# Altium PCB TIDA-010933-RevA.PcbDoc (part 3 of 9) (continued)
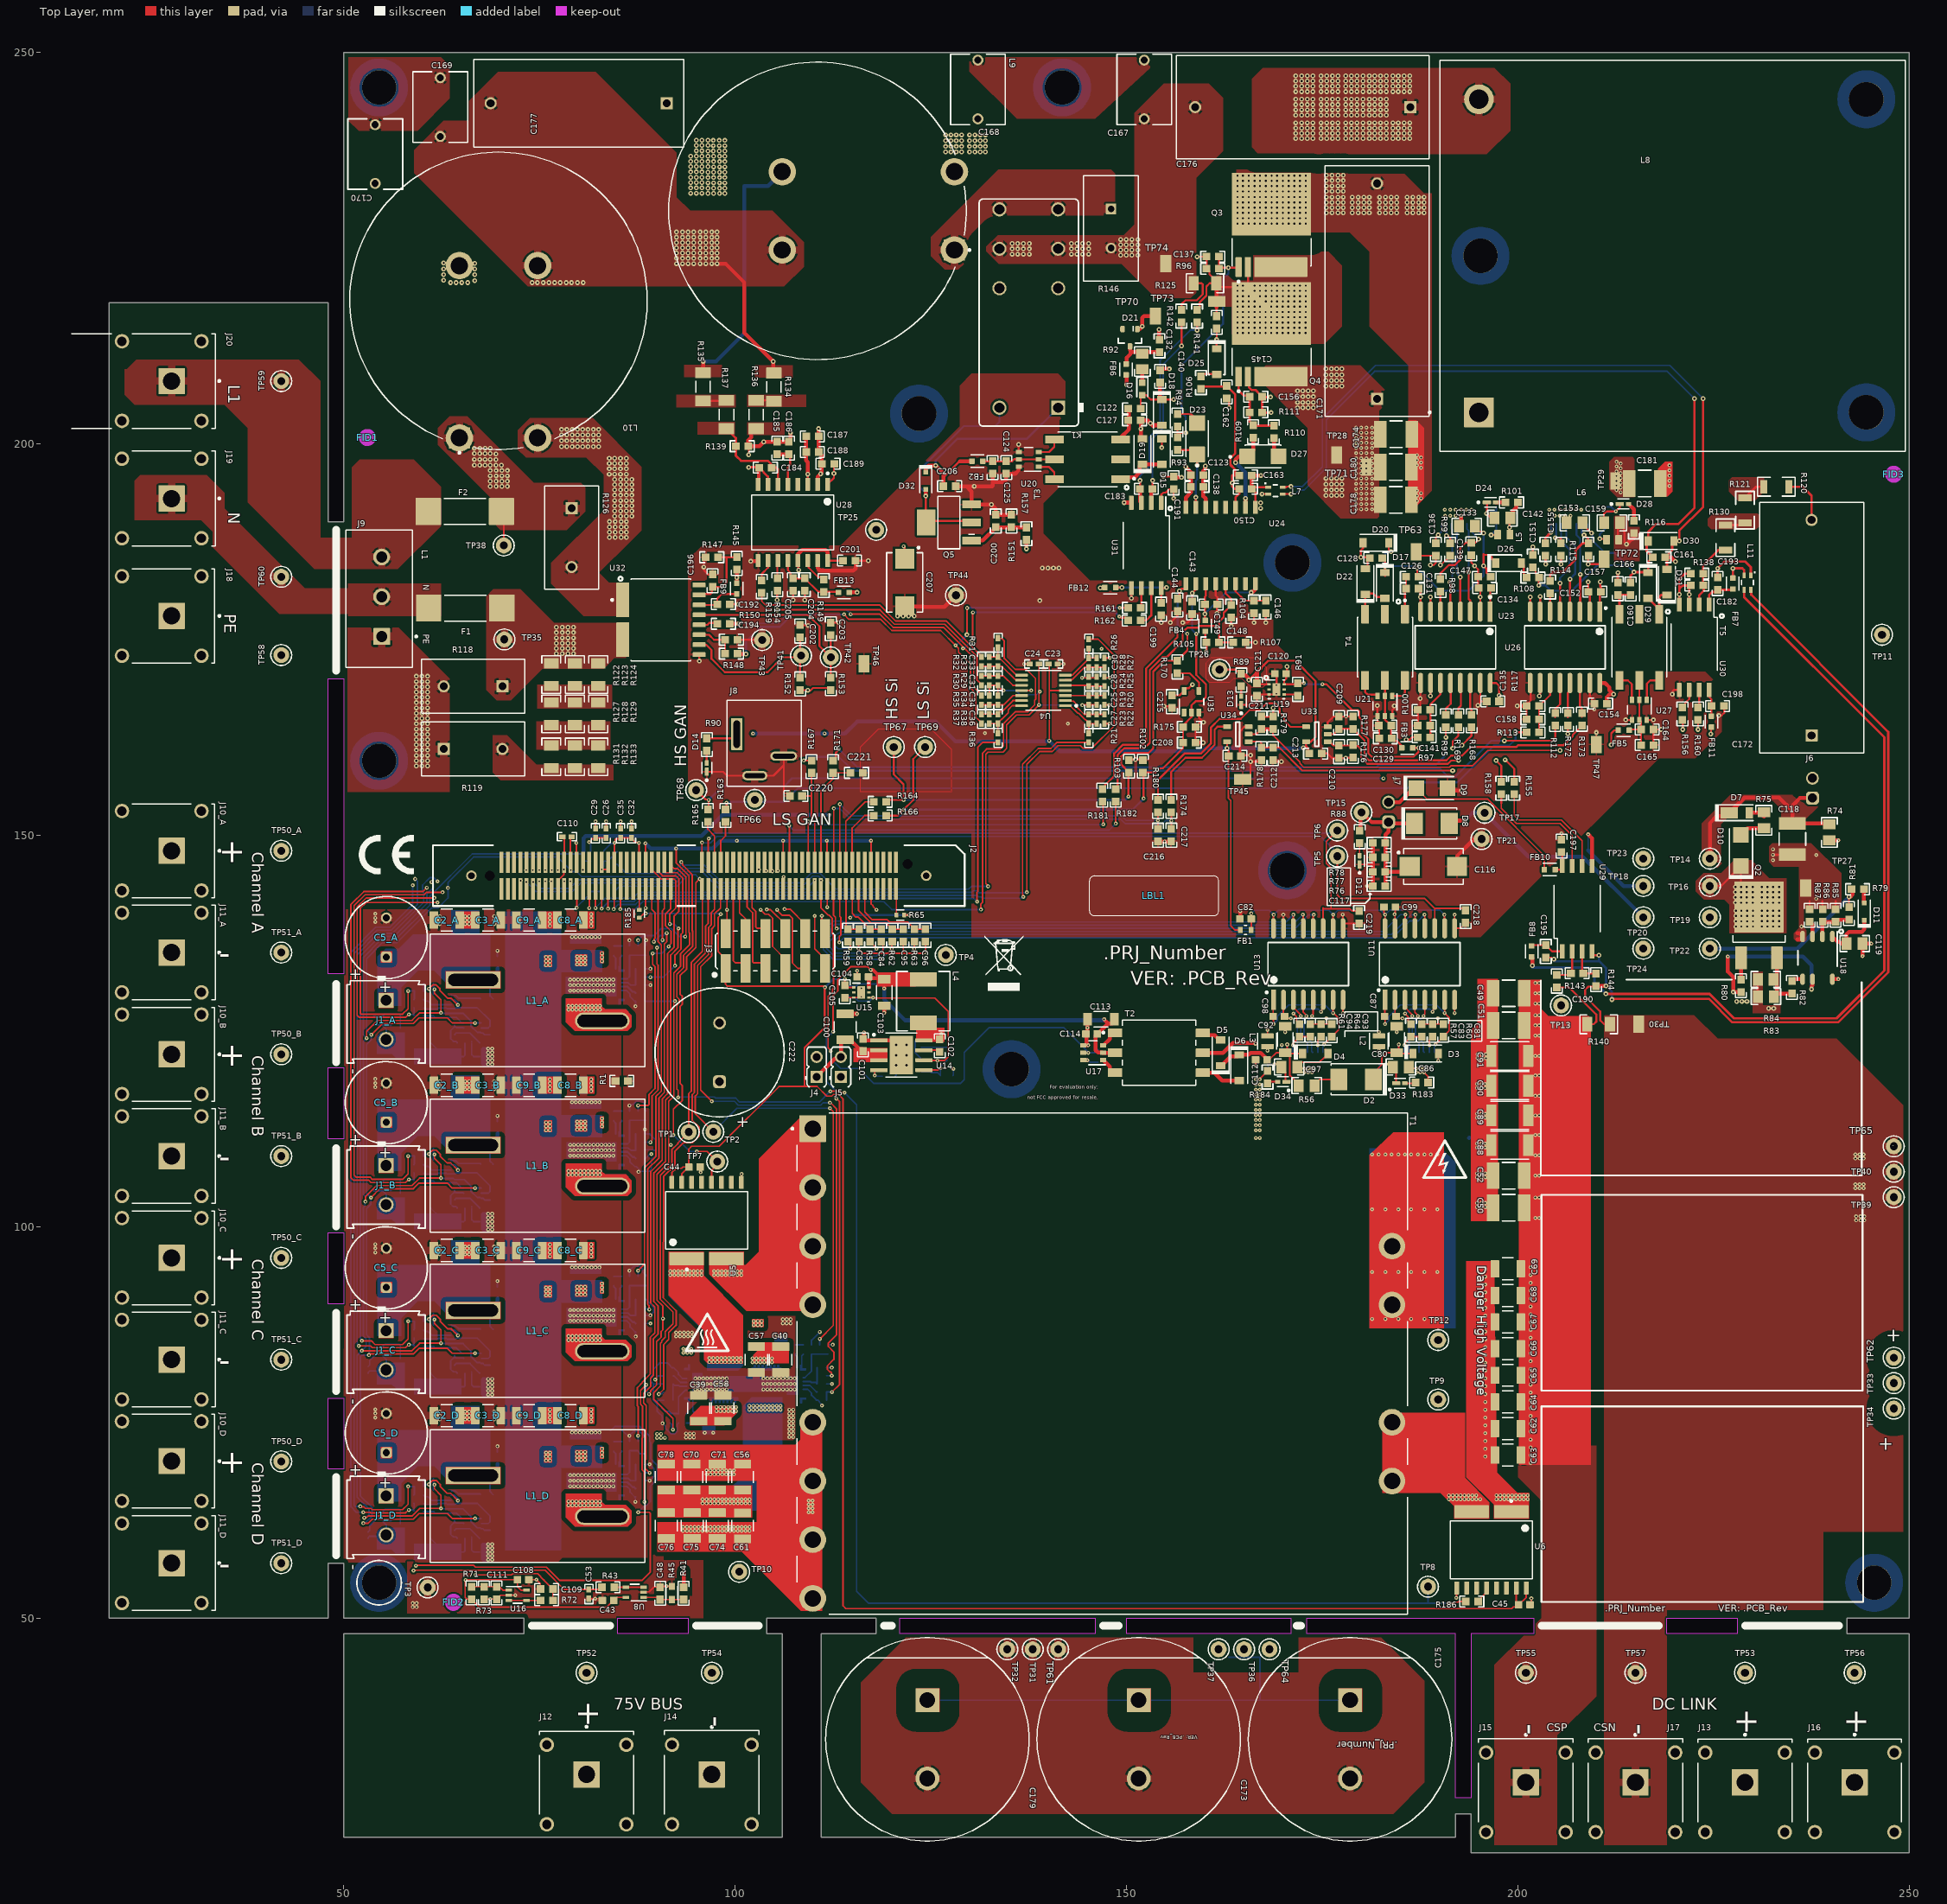
[diagram p0: Top Layer view]
## Part data (continued)
C62 C63 C64 C65 C66 C67 C68 C69: library part CMP-0121422-1, "Multilayer Ceramic Capacitors 4.7nF ±5% 1000V C0G SMD 1210", Manufacturer=TDK, Operating Temperature Range="-55°C to +125°C", TempCo=30ppm/°C, Temperature Characteristic=C0G, Tolerance_%=0.05%, ValueDisplayed=4.7nF, AEC Qualified=No, Cap_F=4.7nF, ComponentLink1Description=Datasheet, ComponentLink1URL=https://product.tdk.com/en/search/capacitor/ceramic/mlcc/info?part_no=C3225C0G3A472J200AC, datasheet=https://product.tdk.com/en/search/capacitor/ceramic/mlcc/info?part_no=C3225C0G3A472J200AC, Datasheet Path=datasheets/Cap-C3225C0G3A472J200AC.pdf, helpURL=https://upverter.com/upn/revision/98040c174d623327/, Lead Free=Yes, PackageReference=1210, Part Number=C3225C0G3A472J200AC, PartNumber=C3225C0G3A472J200AC, RoHS=TRUE, SizeZ_mm=2.2mm, VDC_V=1kV
C80 C92: library part CMP-0750154-1, "CAP, CERM, 10 µF, 25 V,+/- 10%, X7R, AEC-Q200 Grade 1, 1206", Cap_Case=1206, Manufacturer="Taiyo Yuden", TempCo=X7R, Tolerance_%=10%, Value2=25V, ValueDisplayed=10µF, AEC Category=Q200, AEC Grade=1, AEC Qualified=Y, Cap_F=10µF, ComponentLink1Description="Datasheet link", ComponentLink1URL=https://www.yuden.co.jp/productdata/catalog/mlcc_all_hq_e.pdf, CompType=Capacitor, MountType=SMT, PackageReference=1206, PartNumber=TMK316AB7106KLHT, Polarized=N, RoHS=Y, SizeArea_mm2=5.12, SizeAreaWB_mm2=10.92, SizeX_mm=3.2, SizeY_mm=1.6, SizeZ_mm=1.8, TaMax_C=125°C, TaMin_C=-55°C, Technology=Ceramic, U/M=EA, VDC_V=25V
C81 C93: library part CMP-0007389-4, "CAP, CERM, 0.22 uF, 16 V, +/- 10%, X7R, 0603", Cap_Case=0603, Manufacturer=MuRata, Supplier Part Number 1=490-3293-1-ND, TempCo=X7R, Tolerance_%=10%, Value1=Unknown, Value2=16V, ValueDisplayed=0.22uF, AEC Category=Q200, AEC Qualified=?, Cap_F=220nF, ComponentLink1Description="Datasheet link", ComponentLink1URL=http://search.murata.co.jp/Ceramy/PnsearchViewAction.do?HnOFG=ON&HnNFG=ON&SEL_CNT=50&sLang=en&sKey=GRM188R71C224KA01D&x=9&y=9&search=startwith, CompType=Capacitor, LatestRevisionDate=2017-03-09, MountType=SMT, PackageReference=0603, PartNumber=GRM188R71C224KA01D, Polarized=N, Published=2008-06-19, Publisher="Texas Instruments", RoHS=Y, SizeArea_mm2=1.28, SizeAreaWB_mm2=4.68, SizeX_mm=1.6, SizeY_mm=0.8, SizeZ_mm=1, Supplier 1=Digi-Key, Supplier 2=Mouser, Supplier 3=Farnell, Supplier Part Number 2=81-GRM188R71C224KA01, Supplier Part Number 3=1828891, TaMax_C=125°C, TaMin_C=-55°C, Technology=Ceramic, U/M=EA, VDC_V=16V
C83 C84 C85 C94 C95 C96 C218 C219 C220 C221: library part CMP-0007196-3, "CAP, CERM, 22 pF, 50 V, +/- 5%, C0G/NP0, 0603", Cap_Case=0603, Manufacturer=MuRata, Supplier Part Number 1=490-1411-1-ND, TempCo=C0G/NP0, Tolerance_%=5%, Value1=Unknown, Value2=50V, ValueDisplayed=22pF, AEC Category=Q200, AEC Qualified=?, Cap_F=22pF, ComponentLink1Description="Datasheet link", ComponentLink1URL=http://search.murata.co.jp/Ceramy/PnsearchViewAction.do?HnOFG=ON&HnNFG=ON&SEL_CNT=50&sLang=en&sKey=GRM1885C1H220JA01D&x=9&y=9&search=startwith, CompType=Capacitor, LatestRevisionDate=2017-03-09, MountType=SMT, PackageReference=0603, PartNumber=GRM1885C1H220JA01D, Polarized=N, Published=2008-06-19, Publisher="Texas Instruments", RoHS=Y, SizeArea_mm2=1.28, SizeAreaWB_mm2=4.68, SizeX_mm=1.6, SizeY_mm=0.8, SizeZ_mm=1, Supplier 1=Digi-Key, Supplier 2=Mouser, Supplier 3=Farnell, Supplier Part Number 2=81-GRM39C220J50, Supplier Part Number 3=8819831, TaMax_C=125°C, TaMin_C=-55°C, Technology=Ceramic, U/M=EA, VDC_V=50V
C86 C97: library part CMP-0007975-2, "CAP, CERM, 2.2 uF, 25 V, +/- 10%, X7R, AEC-Q200 Grade 1, 0805", Cap_Case=0805, Manufacturer=TDK, Supplier Part Number 1=445-6965-1-ND, TempCo=X7R, Tolerance_%=10%, Value1=Unknown, Value2=25V, ValueDisplayed=2.2uF, AEC Category=Q200, AEC Grade=1, AEC Qualified=Y, Cap_F=2.2µF, ComponentLink1Description="Datasheet link", ComponentLink1URL=https://product.tdk.com/info/en/documents/chara_sheet/CGA4J3X7R1E225K125AB.pdf, CompType=Capacitor, LatestRevisionDate=2017-03-09, MountType=SMT, PackageReference=0805, PartNumber=CGA4J3X7R1E225K125AB, Polarized=N, Published=2008-06-19, Publisher="Texas Instruments", RoHS=Y, SizeArea_mm2=2.5, SizeAreaWB_mm2=6.75, SizeX_mm=2, SizeY_mm=1.25, SizeZ_mm=1.45, Supplier 1=Digi-Key, Supplier 2=Newark, Supplier 3=Mouser, Supplier Part Number 2=39Y3548, Supplier Part Number 3=810-CGA4J3X7R1E225K, TaMax_C=125°C, TaMin_C=-55°C, Technology=Ceramic, U/M=EA, VDC_V=25V
C88 C89 C90 C91: library part CMP-0091479-1, "C Series 1812 0.047 uF 630 V ±5% Tolerance C0G/NP0 Multilayer Ceramic Capacitor", Digikey Part Number=445-14979-1-ND, Manufacturer=TDK, Mouser Part Number=810-C4532C0G2J473JKA, Operating Temperature Range="-55°C to +125°C", TempCo=30ppm/°C, Temperature Characteristic=C0G, Tolerance_%=5%, ValueDisplayed=47nF, AEC Qualified=No, Cap_F=47nF, ComponentLink1Description=Datasheet, ComponentLink1URL=https://product.tdk.com/info/en/catalog/datasheets/mlcc_commercial_midvoltage_en.pdf, datasheet=https://product.tdk.com/info/en/catalog/datasheets/mlcc_commercial_midvoltage_en.pdf, Datasheet Path=datasheets/Cap-C4532C0G2J473J320KA.pdf, Digikey Description="CAP CER 0.047UF 630V C0G 1812", helpURL=https://upverter.com/upn/revision/1db5e60618c374e3/, Lead Free=Yes, Mouser Description="Multilayer Ceramic Capacitors MLCC - SMD/SMT C4532C0G2J473JT000N", PackageReference=1812, Part Number=C4532C0G2J473J320KA, PartNumber=C4532C0G2J473J320KA, RoHS=TRUE, SizeZ_mm=3.5mm, Supplier 1=Digikey, Supplier 2=Mouser, Supplier Part Number 1=445-14979-1-ND, Supplier Part Number 2=810-C4532C0G2J473JKA, VDC_V=630V
C100: library part CMP-0095533-2, "CAP, CERM, 2.2 uF, 100 V, +/- 10%, X7R, 1210", Manufacturer=TDK, Operating Temperature Range="-55°C  to +125°C", TempCo=0.15, Temperature Characteristic=X7R, Tolerance_%=0.1%, ValueDisplayed=2.2uF, AEC Qualified=No, Cap_F=2.2µF, ComponentLink1Description=Datasheet, ComponentLink1URL=https://product.tdk.com/en/search/capacitor/ceramic/mlcc/info?part_no=C3225X7R2A225K230AB, datasheet=https://product.tdk.com/en/search/capacitor/ceramic/mlcc/info?part_no=C3225X7R2A225K230AB, Datasheet Path=datasheets/Cap-C3225X7R2A225K230AB.pdf, helpURL=https://upverter.com/upn/revision/88efa44f12133509/, Lead Free=Yes, PackageReference=1210, Part Number=C3225X7R2A225K230AB, PartNumber=C3225X7R2A225K230AB, RoHS=TRUE, SizeZ_mm=2.5mm, VDC_V=100V
C101: library part CMP-0007469-4, "CAP, CERM, 0.1 uF, 100 V, +/- 10%, X7R, 0603", Cap_Case=0603, Manufacturer=MuRata, Supplier Part Number 1=490-3285-1-ND, TempCo=X7R, Tolerance_%=10%, Value1=Unknown, Value2=100V, ValueDisplayed=0.1uF, AEC Category=Q200, AEC Qualified=?, Cap_F=100nF, ComponentLink1Description="Datasheet link", ComponentLink1URL=http://search.murata.co.jp/Ceramy/PnsearchViewAction.do?HnOFG=ON&HnNFG=ON&SEL_CNT=50&sLang=en&sKey=GRM188R72A104KA35D&x=9&y=9&search=startwith, CompType=Capacitor, LatestRevisionDate=2017-03-09, MountType=SMT, PackageReference=0603, PartNumber=GRM188R72A104KA35D, Polarized=N, Published=2008-06-19, Publisher="Texas Instruments", RoHS=Y, SizeArea_mm2=1.28, SizeAreaWB_mm2=4.68, SizeX_mm=1.6, SizeY_mm=0.8, SizeZ_mm=1, Supplier 1=Digi-Key, Supplier 2=Mouser, Supplier 3=Farnell, Supplier Part Number 2=81-GRM188R72A104KA35, Supplier Part Number 3=1828921, TaMax_C=125°C, TaMin_C=-55°C, Technology=Ceramic, U/M=EA, VDC_V=100V
C102: library part CMP-0006897-4, "CAP, CERM, 2200 pF, 50 V, +/- 10%, X7R, 0603", Cap_Case=0603, Manufacturer=Kemet, Supplier Part Number 1=1362428, TempCo=X7R, Tolerance_%=10%, Value1=Unknown, Value2=50V, ValueDisplayed=2200pF, AEC Category=Q200, AEC Qualified=?, Cap_F=2.2nF, ComponentLink1Description="Datasheet link", ComponentLink1URL=http://www.kemet.com/kemet/web/homepage/kechome.nsf/vapubfiles/F3102_Y5V.pdf/$file/F3102_Y5V.pdf, CompType=Capacitor, LatestRevisionDate=2017-03-09, MountType=SMT, PackageReference=0603, PartNumber=C0603C222K5RAC, Polarized=N, Published=2008-06-19, Publisher="Texas Instruments", RoHS=Y, SizeArea_mm2=1.28, SizeAreaWB_mm2=4.68, SizeX_mm=1.6, SizeY_mm=0.8, SizeZ_mm=1, Supplier 1=Farnell, TaMax_C=125°C, TaMin_C=-55°C, Technology=Ceramic, U/M=EA, VDC_V=50V
C103 C113: library part CMP-0008959-2, "CAP, CERM, 22 uF, 10 V, +/- 10%, X7R, 1206", Cap_Case=1206, Manufacturer=MuRata, Supplier Part Number 1=490-5309-1-ND, TempCo=X7R, Tolerance_%=10%, Value1=Unknown, Value2=10V, ValueDisplayed=22uF, AEC Category=Q200, AEC Qualified=?, Cap_F=22µF, ComponentLink1Description="Datasheet link", ComponentLink1URL=http://search.murata.co.jp/Ceramy/PnsearchViewAction.do?HnOFG=ON&HnNFG=ON&SEL_CNT=50&sLang=en&sKey=GRM31CR71A226KE15L&x=9&y=9&search=startwith, CompType=Capacitor, LatestRevisionDate=2017-03-09, MountType=SMT, PackageReference=1206, PartNumber=GRM31CR71A226KE15L, Polarized=N, Published=2008-06-19, Publisher="Texas Instruments", RoHS=Y, SizeArea_mm2=5.12, SizeAreaWB_mm2=10.92, SizeX_mm=3.2, SizeY_mm=1.6, SizeZ_mm=1.8, Supplier 1=Digi-Key, Supplier 2=Mouser, Supplier 3=Farnell, Supplier Part Number 2=81-GRM31CR71A226K15L, Supplier Part Number 3=1797016, TaMax_C=125°C, TaMin_C=-55°C, Technology=Ceramic, U/M=EA, VDC_V=10V
C105 C121: library part CMP-0064932-4, "CAP, CERM, 1 uF, 10 V,+/- 10%, X7R, 0603", Cap_Case=0603, Manufacturer="Wurth Elektronik", Supplier Part Number 1=732-7945-1-ND, TempCo=X7R, Tolerance_%=10%, Value1=Unknown, Value2=10V, ValueDisplayed=1uF, AEC Category=Q200, AEC Grade=N/A, AEC Qualified=N, Cap_F=1µF, ComponentLink1Description="Datasheet link", ComponentLink1URL=http://katalog.we-online.com/pbs/datasheet/885012206026.pdf, CompType=Capacitor, LatestRevisionDate=2017-06-05, MountType=SMT, PackageReference=0603, PartNumber=885012206026, Polarized=N, Published=2008-06-19, Publisher="Texas Instruments", RoHS=Y, SizeArea_mm2=1.28, SizeAreaWB_mm2=4.68, SizeX_mm=1.6, SizeY_mm=0.8, SizeZ_mm=1, Supplier 1=Digi-Key, Supplier 2=Newark, Supplier 3=Mouser, Supplier Part Number 2=15AC9362, Supplier Part Number 3=710-885012206026, TaMax_C=125°C, TaMin_C=-55°C, Technology=Ceramic, U/M=EA, VDC_V=10V
C106: library part CMP-0007471-5, "CAP, CERM, 1200 pF, 100 V, +/- 10%, X7R, 0603", Cap_Case=0603, Manufacturer=MuRata, Supplier Part Number 1=490-1474-1-ND, TempCo=X7R, Tolerance_%=10%, Value1=Unknown, Value2=100V, ValueDisplayed=1200pF, AEC Category=Q200, AEC Qualified=?, Cap_F=1.2nF, ComponentLink1Description="Datasheet link", ComponentLink1URL=http://search.murata.co.jp/Ceramy/PnsearchViewAction.do?HnOFG=ON&HnNFG=ON&SEL_CNT=50&sLang=en&sKey=GRM188R72A122KA01D&x=9&y=9&search=startwith, CompType=Capacitor, LatestRevisionDate=2017-03-09, MountType=SMT, PackageReference=0603, PartNumber=GRM188R72A122KA01D, Polarized=N, Published=2008-06-19, Publisher="Texas Instruments", RoHS=Y, SizeArea_mm2=1.28, SizeAreaWB_mm2=4.68, SizeX_mm=1.6, SizeY_mm=0.8, SizeZ_mm=1, Supplier 1=Digi-Key, Supplier 2=Mouser, Supplier Part Number 2=81-GRM18R72A122KA01D, TaMax_C=125°C, TaMin_C=-55°C, Technology=Ceramic, U/M=EA, VDC_V=100V
C107: library part CMP-0007275-4, "CAP, CERM, 56 pF, 100 V, +/- 5%, C0G/NP0, 0603", Cap_Case=0603, Manufacturer=MuRata, Supplier Part Number 1=490-1345-1-ND, TempCo=C0G/NP0, Tolerance_%=5%, Value1=Unknown, Value2=100V, ValueDisplayed=56pF, AEC Category=Q200, AEC Qualified=?, Cap_F=56pF, ComponentLink1Description="Datasheet link", ComponentLink1URL=http://search.murata.co.jp/Ceramy/PnsearchViewAction.do?HnOFG=ON&HnNFG=ON&SEL_CNT=50&sLang=en&sKey=GRM1885C2A560JA01D&x=9&y=9&search=startwith, CompType=Capacitor, LatestRevisionDate=2017-03-09, MountType=SMT, PackageReference=0603, PartNumber=GRM1885C2A560JA01D, Polarized=N, Published=2008-06-19, Publisher="Texas Instruments", RoHS=Y, SizeArea_mm2=1.28, SizeAreaWB_mm2=4.68, SizeX_mm=1.6, SizeY_mm=0.8, SizeZ_mm=1, Supplier 1=Digi-Key, Supplier 2=Mouser, Supplier Part Number 2=81-GRM185C2A560JA01D, TaMax_C=125°C, TaMin_C=-55°C, Technology=Ceramic, U/M=EA, VDC_V=100V
C109 C115: library part CMP-0007206-4, "CAP, CERM, 300 pF, 50 V, +/- 5%, C0G/NP0, 0603", Cap_Case=0603, Manufacturer=MuRata, Supplier Part Number 1=490-1438-1-ND, TempCo=C0G/NP0, Tolerance_%=5%, Value1=Unknown, Value2=50V, ValueDisplayed=300pF, AEC Category=Q200, AEC Qualified=?, Cap_F=300pF, ComponentLink1Description="Datasheet link", ComponentLink1URL=http://search.murata.co.jp/Ceramy/PnsearchViewAction.do?HnOFG=ON&HnNFG=ON&SEL_CNT=50&sLang=en&sKey=GRM1885C1H301JA01D&x=9&y=9&search=startwith, CompType=Capacitor, LatestRevisionDate=2017-03-09, MountType=SMT, PackageReference=0603, PartNumber=GRM1885C1H301JA01D, Polarized=N, Published=2008-06-19, Publisher="Texas Instruments", RoHS=Y, SizeArea_mm2=1.28, SizeAreaWB_mm2=4.68, SizeX_mm=1.6, SizeY_mm=0.8, SizeZ_mm=1, Supplier 1=Digi-Key, Supplier 2=Mouser, Supplier Part Number 2=81-GRM185C1H301JA01D, TaMax_C=125°C, TaMin_C=-55°C, Technology=Ceramic, U/M=EA, VDC_V=50V
C116 C207: library part CMP-0011981-2, "CAP, TA, 470 uF, 10 V, +/- 20%, 0.045 ohm, SMD", Cap_Case=E, Manufacturer=AVX, Supplier Part Number 1=478-4148-1-ND, Tolerance_%=20%, Value1="0.045 ohm", Value2=10V, ValueDisplayed=470uF, AEC Category=Q200, AEC Qualified=?, Cap_F=470µF, ComponentLink1Description="Datasheet link", ComponentLink1URL=http://www.avx.com/docs/masterpubs/tantniob.pdf, CompType=Capacitor, ESR_ohm=0.045, IRMS_A=1.732A, LatestRevisionDate=2017-03-09, LatestRevisionNote="Updated supplier links", MountType=SMT, PackageReference=7343-43, PartNumber=TPSE477M010R0045, Polarized=Y, Publisher="Texas Instruments", RoHS=Y, Series=TPS, SizeArea_mm2=31.39, SizeAreaWB_mm2=58.59, SizeX_mm=7.3, SizeY_mm=4.3, SizeZ_mm=4.3, Supplier 1=Digi-Key, Supplier 2=Newark, Supplier 3=Mouser, Supplier Part Number 2=75M2993, Supplier Part Number 3=581-TPSE477M010R0045, TaMax_C=125°C, TaMin_C=-55°C, Technology=TA, U/M=EA, VDC_V=10V
C117 C186 C187 C192 C201: library part CMP-0006979-5, "CAP, CERM, 0.1 uF, 25 V, +/- 10%, X7R, 0603", Cap_Case=0603, Manufacturer=Kemet, Supplier Part Number 1=399-5345-1-ND, TempCo=X7R, Tolerance_%=10%, Value1=Unknown, Value2=25V, ValueDisplayed=0.1uF, AEC Category=Q200, AEC Qualified=?, Cap_F=100nF, ComponentLink1Description="Datasheet link", ComponentLink1URL=http://www.kemet.com/kemet/web/homepage/kechome.nsf/vapubfiles/F3102_Y5V.pdf/$file/F3102_Y5V.pdf, CompType=Capacitor, LatestRevisionDate=2017-03-09, MountType=SMT, PackageReference=0603, PartNumber=C0603X104K3RACTU, Polarized=N, Published=2008-06-19, Publisher="Texas Instruments", RoHS=Y, SizeArea_mm2=1.28, SizeAreaWB_mm2=4.68, SizeX_mm=1.6, SizeY_mm=0.8, SizeZ_mm=1, Supplier 1=Digi-Key, Supplier 2=Mouser, Supplier 3=Farnell, Supplier Part Number 2=80-C0603X104K3R, Supplier Part Number 3=1601773, TaMax_C=125°C, TaMin_C=-55°C, Technology=Ceramic, U/M=EA, VDC_V=25V
C118 C174 C178 C180 C181: library part CMP-0009326-2, "CAP, CERM, 0.1 uF, 1000 V, +/- 10%, X7R, 1812", Cap_Case=1812, Manufacturer=Kemet, Supplier Part Number 1=399-6523-1-ND, TempCo=X7R, Tolerance_%=10%, Value1=Unknown, Value2=1000V, ValueDisplayed=0.1uF, AEC Category=Q200, AEC Grade=N/A, AEC Qualified=N, Cap_F=100nF, ComponentLink1Description="Datasheet link", ComponentLink1URL=http://www.kemet.com/Lists/ProductCatalog/Attachments/122/KEM_C1034_X7R_HV_ARC_SMD.pdf, CompType=Capacitor, LatestRevisionDate=2017-03-09, MountType=SMT, PackageReference=1812, PartNumber=C1812W104KDRACTU, Polarized=N, Published=2008-06-19, Publisher="Texas Instruments", RoHS=Y, SizeArea_mm2=14.4, SizeAreaWB_mm2=23.1, SizeX_mm=4.5, SizeY_mm=3.2, SizeZ_mm=2.54, Supplier 1=Digi-Key, Supplier 2=Newark, Supplier 3=Mouser, Supplier Part Number 2=93T1500, Supplier Part Number 3=80-C1812W104KDR, TaMax_C=125°C, TaMin_C=-55°C, Technology=Ceramic, U/M=EA, VDC_V=1kV
C119: library part CMP-0007859-1, "CAP, CERM, 0.47 uF, 50 V, +/- 10%, X6S, 0805", Cap_Case=0805, Manufacturer=TDK, Supplier Part Number 1=445-14509-1-ND, TempCo=X6S, Tolerance_%=10%, Value1="0.022012 ohm", Value2=50V, ValueDisplayed=0.47uF, AEC Category=Q200, AEC Grade=N/A, AEC Qualified=N, Cap_F=470nF, ComponentLink1Description="Datasheet link", ComponentLink1URL=https://product.tdk.com/en/search/capacitor/ceramic/mlcc/info?part_no=C2012X6S1H474K125AB, CompType=Capacitor, ESR_ohm=0.022012, IRMS_A=1.39566A, LatestRevisionDate=2017-03-09, MountType=SMT, PackageReference=0805, PartNumber=C2012X6S1H474K125AB, Polarized=N, Published=2008-06-19, Publisher="Texas Instruments", RoHS=Y, SizeArea_mm2=2.5, SizeAreaWB_mm2=6.75, SizeX_mm=2, SizeY_mm=1.25, SizeZ_mm=1.45, Supplier 1=Digi-Key, Supplier 2=Mouser, Supplier Part Number 2=810-C2012X6S1H474K125AB, TaMax_C=105°C, TaMin_C=-55°C, Technology=Ceramic, U/M=EA, VDC_V=50V
C122 C124 C126 C127 C128 C130 C131 C132 C147 C151 C160 C165 C166: library part CMP-0007347-5, "CAP, CERM, 4.7 uF, 25 V, +/- 10%, X5R, 0603", Cap_Case=0603, Manufacturer=MuRata, Supplier Part Number 1=490-7203-1-ND, TempCo=X5R, Tolerance_%=10%, Value1=Unknown, Value2=25V, ValueDisplayed=4.7uF, AEC Category=Q200, AEC Grade=N/A, AEC Qualified=N, Cap_F=4.7µF, ComponentLink1Description="Datasheet link", ComponentLink1URL=http://search.murata.co.jp/Ceramy/image/img/A01X/G101/ENG/GRM188R61E475KE11-01.pdf, CompType=Capacitor, LatestRevisionDate=2017-03-09, MountType=SMT, PackageReference=0603, PartNumber=GRM188R61E475KE11D, Polarized=N, Published=2008-06-19, Publisher="Texas Instruments", RoHS=Y, SizeArea_mm2=1.28, SizeAreaWB_mm2=4.68, SizeX_mm=1.6, SizeY_mm=0.8, SizeZ_mm=1, Supplier 1=Digi-Key, Supplier 2=Newark, Supplier 3=Mouser, Supplier Part Number 2=68X2788, Supplier Part Number 3=81-GRM188R61E475KE1D, TaMax_C=85°C, TaMin_C=-55°C, Technology=Ceramic, U/M=EA, VDC_V=25V
C123 C140 C145 C161 C162 C163: library part CMP-0007344-5, "CAP, CERM, 10 uF, 25 V, +/- 20%, X5R, 0603", Cap_Case=0603, Manufacturer=MuRata, Supplier Part Number 1=490-7202-1-ND, TempCo=X5R, Tolerance_%=20%, Value1=Unknown, Value2=25V, ValueDisplayed=10uF, AEC Category=Q200, AEC Qualified=?, Cap_F=10µF, ComponentLink1Description="Datasheet link", ComponentLink1URL=http://psearch.murata.com/capacitor/product/GRM188R61E106MA73%23.pdf, CompType=Capacitor, LatestRevisionDate=2017-03-09, MountType=SMT, PackageReference=0603, PartNumber=GRM188R61E106MA73D, Polarized=N, Published=2008-06-19, Publisher="Texas Instruments", RoHS=Y, SizeArea_mm2=1.28, SizeAreaWB_mm2=4.68, SizeX_mm=1.6, SizeY_mm=0.8, SizeZ_mm=1, Supplier 1=Digi-Key, Supplier 2=Mouser, Supplier 3=Farnell, Supplier Part Number 2=81-GRM188R61E106MA3L, Supplier Part Number 3=1828803RL, TaMax_C=85°C, TaMin_C=-55°C, Technology=Ceramic, U/M=EA, VDC_V=25V
C125 C129 C149 C164: library part CMP-0079911-1, "CAP, CERM, 0.1 µF, 50 V,+/- 10%, X8R, AEC-Q200 Grade 0, 0603", Cap_Case=0603, Manufacturer=TDK, Supplier Part Number 1=445-173697-1-ND, TempCo=X8R, Tolerance_%=10%, Value2=50V, ValueDisplayed=0.1µF, AEC Category=Q200, AEC Grade=0, AEC Qualified=Y, Cap_F=100nF, ComponentLink1Description="Datasheet link", ComponentLink1URL=https://product.tdk.com/info/en/catalog/datasheets/mlcc_automotive_soft_en.pdf, CompType=Capacitor, MountType=SMT, PackageReference=0603, PartNumber=CGA3E3X8R1H104K080AE, Polarized=N, RoHS=Y, SizeArea_mm2=1.28, SizeAreaWB_mm2=4.68, SizeX_mm=1.6, SizeY_mm=0.8, SizeZ_mm=1, Supplier 1=Digi-Key, Supplier 2=Newark, Supplier 3=Mouser, Supplier Part Number 2=92Y5509, Supplier Part Number 3=810-CGA3E3X8R1H104KA, TaMax_C=150°C, TaMin_C=-55°C, Technology=Ceramic, U/M=EA, VDC_V=50V
C133 C153: library part CMP-0008183-2, "CAP, CERM, 10 uF, 25 V, +/- 20%, B, 0805", Cap_Case=0805, Manufacturer=MuRata, TempCo=B, Tolerance_%=20%, Value1=Unknown, Value2=25V, ValueDisplayed=10uF, AEC Category=Q200, AEC Grade=N/A, AEC Qualified=N, Cap_F=10µF, ComponentLink1Description="Datasheet link", ComponentLink1URL=http://www.murata.com/~/media/webrenewal/support/library/catalog/products/capacitor/mlcc/c02e.ashx, CompType=Capacitor, LatestRevisionDate=2017-03-09, MountType=SMT, PackageReference=0805, PartNumber=GRM219B31E106MA12, Polarized=N, Published=2008-06-19, Publisher="Texas Instruments", RoHS=Y, SizeArea_mm2=2.5, SizeAreaWB_mm2=6.75, SizeX_mm=2, SizeY_mm=1.25, SizeZ_mm=1.45, TaMax_C=85°C, TaMin_C=-25°C, Technology=Ceramic, U/M=EA, VDC_V=25V
C134 C135 C136 C138 C150 C152 C154 C155 C191 C193 C195 C197 C198 C199 C206 C213 C214 C215: library part CMP-0006752-5, "CAP, CERM, 0.1 uF, 25 V, +/- 5%, X7R, 0603", Cap_Case=0603, Manufacturer=AVX, Supplier Part Number 1=478-3713-1-ND, TempCo=X7R, Tolerance_%=5%, Value1="0.05 ohm", Value2=25V, ValueDisplayed=0.1uF, AEC Category=Q200, AEC Grade=N/A, AEC Qualified=N, Cap_F=100nF, ComponentLink1Description="Datasheet link", ComponentLink1URL=http://datasheets.avx.com/X7RDielectric.pdf, CompType=Capacitor, ESR_ohm=0.05, LatestRevisionDate=2017-03-09, MountType=SMT, PackageReference=0603, PartNumber=06033C104JAT2A, Polarized=N, Published=2008-06-19, Publisher="Texas Instruments", RoHS=Y, SizeArea_mm2=1.28, SizeAreaWB_mm2=4.68, SizeX_mm=1.6, SizeY_mm=0.8, SizeZ_mm=1, Supplier 1=Digi-Key, Supplier 2=Mouser, Supplier 3=Farnell, Supplier Part Number 2=581-06033C104JAT2A, Supplier Part Number 3=1740614, TaMax_C=125°C, TaMin_C=-55°C, Technology=Ceramic, U/M=EA, VDC_V=25V
C137 C139 C141 C143 C144 C156 C157 C158 C194 C196 C202 C203 C208 C209 C210 C211 C212 C216 C217: library part CMP-0006894-4, "CAP, CERM, 220 pF, 50 V, +/- 10%, C0G/NP0, 0603", Cap_Case=0603, Manufacturer=Kemet, Supplier Part Number 1=399-1065-1-ND, TempCo=C0G/NP0, Tolerance_%=10%, Value1=Unknown, Value2=50V, ValueDisplayed=220pF, AEC Category=Q200, AEC Qualified=?, Cap_F=220pF, ComponentLink1Description="Datasheet link", ComponentLink1URL=http://www.kemet.com/kemet/web/homepage/kechome.nsf/vapubfiles/F3102_Y5V.pdf/$file/F3102_Y5V.pdf, CompType=Capacitor, LatestRevisionDate=2017-03-09, MountType=SMT, PackageReference=0603, PartNumber=C0603C221K5GACTU, Polarized=N, Published=2008-06-19, Publisher="Texas Instruments", RoHS=Y, SizeArea_mm2=1.28, SizeAreaWB_mm2=4.68, SizeX_mm=1.6, SizeY_mm=0.8, SizeZ_mm=1, Supplier 1=Digi-Key, Supplier 2=Mouser, Supplier 3=Farnell, Supplier Part Number 2=80-C0603C221K5G, Supplier Part Number 3=1167797, TaMax_C=125°C, TaMin_C=-55°C, Technology=Ceramic, U/M=EA, VDC_V=50V
C142 C159: library part CMP-0008342-2, "CAP, CERM, 2.2 uF, 25 V, +/- 10%, X7R, 0805", Alternate Manufacturer=Murata, Alternate PartNumber=GRM219R61E225KA12D, Cap_Case=0805, Manufacturer=MuRata, Supplier Part Number 1=490-3331-1-ND, TempCo=X7R, Tolerance_%=10%, Value1="0.005 ohm", Value2=25V, ValueDisplayed=2.2uF, AEC Category=Q200, AEC Qualified=?, Cap_F=2.2µF, ComponentLink1Description="Datasheet link", ComponentLink1URL=http://search.murata.co.jp/Ceramy/PnsearchViewAction.do?HnOFG=ON&HnNFG=ON&SEL_CNT=50&sLang=en&sKey=GRM21BR71E225KA73L&x=9&y=9&search=startwith, CompType=Capacitor, ESR_ohm=5m, LatestRevisionDate=2017-03-09, MountType=SMT, PackageReference=0805, PartNumber=GRM21BR71E225KA73L, Polarized=N, Published=2008-06-19, Publisher="Texas Instruments", RoHS=Y, SizeArea_mm2=2.5, SizeAreaWB_mm2=6.75, SizeX_mm=2, SizeY_mm=1.25, SizeZ_mm=1.45, Supplier 1=Digi-Key, Supplier 2=Mouser, Supplier 3=Farnell, Supplier Part Number 2=81-GRM21BR71E225KA73, Supplier Part Number 3=1735542, TaMax_C=125°C, TaMin_C=-55°C, Technology=Ceramic, U/M=EA, VDC_V=25V
C146 C148: library part CMP-0006985-4, "CAP, CERM, 3300 pF, 50 V, +/- 10%, X7R, 0603", Cap_Case=0603, Manufacturer=Kemet, Supplier Part Number 1=399-5339-1-ND, TempCo=X7R, Tolerance_%=10%, Value1=Unknown, Value2=50V, ValueDisplayed=3300pF, AEC Category=Q200, AEC Qualified=?, Cap_F=3.3nF, ComponentLink1Description="Datasheet link", ComponentLink1URL=http://www.kemet.com/kemet/web/homepage/kechome.nsf/vapubfiles/F3102_Y5V.pdf/$file/F3102_Y5V.pdf, CompType=Capacitor, LatestRevisionDate=2017-03-09, MountType=SMT, PackageReference=0603, PartNumber=C0603X332K5RACTU, Polarized=N, Published=2008-06-19, Publisher="Texas Instruments", RoHS=Y, SizeArea_mm2=1.28, SizeAreaWB_mm2=4.68, SizeX_mm=1.6, SizeY_mm=0.8, SizeZ_mm=1, Supplier 1=Digi-Key, Supplier 2=Mouser, Supplier Part Number 2=80-C0603X332K5R, TaMax_C=125°C, TaMin_C=-55°C, Technology=Ceramic, U/M=EA, VDC_V=50V
C167 C168 C169 C170: library part CMP-0009613-2, "CAP, CERM, 2200 pF, 300 V, +/- 20%, E, TH, 2- Leads, Body 9x7mm, Pin Spacing 7.5mm", Cap_Case=9x7x9mm, Manufacturer=MuRata, Supplier Part Number 1=DE6E3KJ222MN3A-ND, TempCo=E, Tolerance_%=20%, Value1=Unknown, Value2=300V, ValueDisplayed=2200pF, AEC Category=Q200, AEC Qualified=?, Cap_F=2.2nF, ComponentLink1Description="Datasheet link", ComponentLink1URL=http://psearch.murata.com/capacitor/product/DE6E3KJ222MN3A.pdf, CompType=Capacitor, LatestRevisionDate=2017-03-09, MountType=TH, PackageReference="TH, 2- Leads, Body 9x7mm, Pin Spacing 7.5mm", PartNumber=DE6E3KJ222MN3A, Polarized=N, Published=2008-06-19, Publisher="Texas Instruments", RoHS=Y, SizeArea_mm2=63, SizeAreaWB_mm2=99, SizeX_mm=9, SizeY_mm=7, SizeZ_mm=12, Supplier 1=Digi-Key, Supplier 2=Mouser, Supplier Part Number 2=81-DE6E3KJ222MN3A, TaMax_C=125°C, TaMin_C=-40°C, Technology=Ceramic, U/M=EA, VDC_V=300V
C171 C172: library part CMP-0094225-1, "5.6 µF Film Capacitor - 600V Polypropylene (PP), Metallized Radial", Digikey Part Number=399-C4AQHBU4560P1XJ-ND, Manufacturer=KEMET, Mouser Part Number=80-C4AQHBU4560P1XJ, Operating Temperature Range="-55°C to +125°C", Tolerance_%=5%, ValueDisplayed=5.6uF, AEC Grade="Grade 1", AEC Qualified=Yes, Cap_F=5.6µF, ComponentLink1Description=Datasheet, ComponentLink1URL=https://content.kemet.com/datasheets/KEM_F3128_C4AQ_P.pdf, datasheet=https://content.kemet.com/datasheets/KEM_F3128_C4AQ_P.pdf, Datasheet Path=datasheets/Cap-C4AQHBU4560P1XJ.pdf, Digikey Description="CAP FILM 5.6UF 5% 600VDC RADIAL", helpURL=https://upverter.com/upn/revision/c563b483adbcab9e/, Lead Free=Yes, PackageReference=RADIAL, Part Number=C4AQHBU4560P1XJ, PartNumber=C4AQHBU4560P1XJ, RoHS=TRUE, SizeZ_mm=25.2mm, Standoff Height=0.5mm, Supplier 1=Digikey, Supplier 2=Mouser, Supplier Part Number 1=399-C4AQHBU4560P1XJ-ND, Supplier Part Number 2=80-C4AQHBU4560P1XJ, VDC_V=600V